# KiCad board Leftcopy.kicad_pcb (continued)
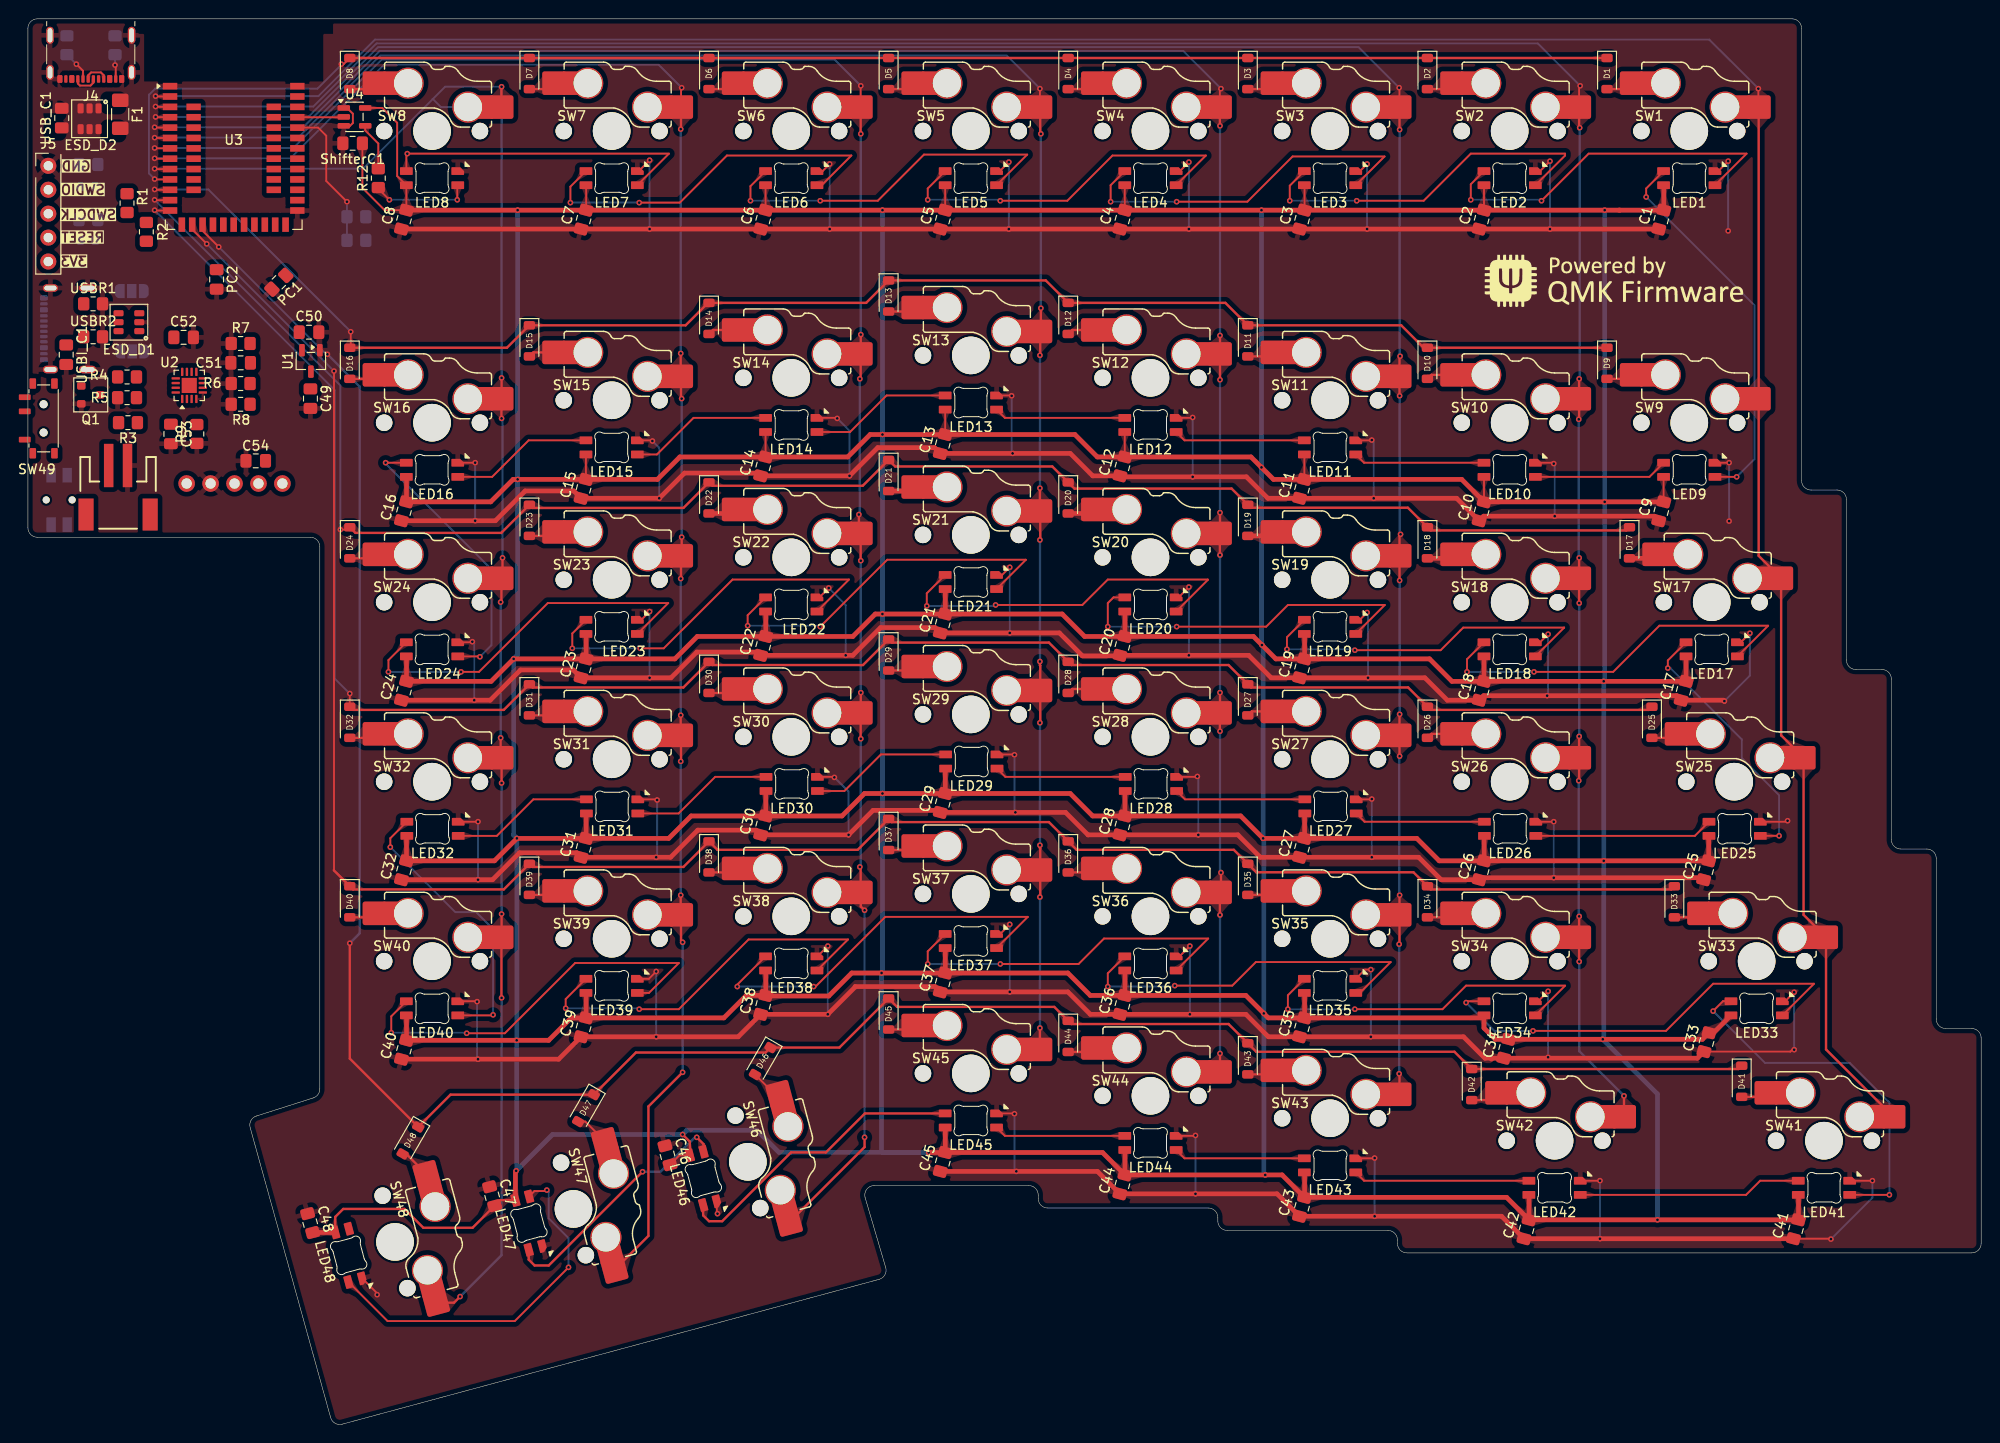
[diagram p0: board, top side]
## Routing (per net, layer and track width the routed paths; a pad name or vN(x,y) marks a point on that pad's centre or on a via; arc(x,y) is an arc through that point) (continued)
Net-(D11-A): length 2.8
  Top w0.25: D11.2 131.47,113.32 131.89,113.75 SW11.2
Net-(D12-A): length 2.8
  Top w0.25: D12.2 110.76,116.13 SW12.2
Net-(D13-A): length 2.8
  Top w0.25: SW13.2 93.5,118.08 D13.2
Net-(D14-A): length 2.8
  Top w0.25: D14.2 72.66,116.13 SW14.2
Net-(D15-A): length 2.8
  Top w0.25: D15.2 53.61,113.75 SW15.2
Net-(D16-A): length 4.6
  Top w0.25: D16.2 38.1,110.94 SW16.2
Net-(D17-A): length 2.8
  Top w0.5: D17.2 172.08,91.89 SW17.2
Net-(D18-A): length 2.8
  Top w0.5: D18.2 150.65,91.89 SW18.2
Net-(D19-A): length 2.8
  Top w0.5: D19.2 131.6,94.27 SW19.2
Net-(D20-A): length 2.8
  Top w0.5: SW20.2 112.55,96.65 D20.2
Net-(D21-A): length 4.6
  Top w0.5: SW21.2 95.25,99.03 D21.2
Net-(D22-A): length 2.8
  Top w0.5: D22.2 74.45,96.65 SW22.2
Net-(D23-A): length 2.8
  Top w0.25: D23.2 55.4,94.27 SW23.2
Net-(D24-A): length 2.8
  Top w0.25: D24.2 36.35,91.89 36.77,92.31
Net-(D25-A): length 2.8
  Top w0.25: SW25.2 174.46,72.84 D25.2
Net-(D26-A): length 2.8
  Top w0.25: D26.2 148.86,73.26 SW26.2
Net-(D27-A): length 2.8
  Top w0.25: D27.2 129.81,75.65 SW27.2
Net-(D28-A): length 2.8
  Top w0.25: SW28.2 110.76,78.03 D28.2
Net-(D29-A): length 2.8
  Top w0.25: SW29.2 93.5,79.98 D29.2
Net-(D30-A): length 2.8
  Top w0.25: D30.2 74.45,77.6 SW30.2
Net-(D31-A): length 2.8
  Top w0.25: D31.2 55.4,75.22 SW31.2
Net-(D32-A): length 2.8
  Top w0.25: 36.77,73.26 36.35,72.84 D32.2
Net-(D33-A): length 4.6
  Top w0.25: D33.2 178.59,53.79 SW33.2
Net-(D34-A): length 2.8
  Top w0.25: D34.2 150.65,53.79 SW34.2
Net-(D35-A): length 4.6
  Top w0.25: D35.2 133.35,56.17 SW35.2
Net-(D36-A): length 2.8
  Top w0.25: D36.2 112.55,58.55 SW36.2
Net-(D37-A): length 4.6
  Top w0.25: D37.2 95.25,60.93 SW37.2
Net-(D38-A): length 2.8
  Top w0.25: D38.2 74.45,58.55 SW38.2
Net-(D39-A): length 2.8
  Top w0.25: D39.2 55.4,56.17 SW39.2
Net-(D40-A): length 4.6
  Top w0.25: SW40.2 38.1,53.79 D40.2
Net-(D41-A): length 4.6
  Top w0.25: D41.2 185.74,34.74 SW41.2
Net-(D42-A): length 4.8
  Top w0.25: SW42.2 156.81,34.39 D42.2
Net-(D43-A): length 2.8
  Top w0.25: SW43.2 131.6,37.12 D43.2
Net-(D44-A): length 2.8
  Top w0.25: SW44.2 112.55,39.5 D44.2
Net-(D45-A): length 2.8
  Top w0.25: SW45.2 93.5,41.88 D45.2
Net-(D46-A): length 5
  Top w0.2: D46.2 80.15,34.08 SW46.2
Net-(D47-A): length 3.7
  Top w0.2: D47.2 59.12,32.11 SW47.2
Net-(D48-A): length 3.4
  Top w0.25: D48.2 40.12,28.69 SW48.2
Net-(ESD_D2-L1-Pad1): length 2.7
  Top w0.2: J4.B7 6.94,142.36 6.64,142.06 5.52,142.06 5.29,142.29 J4.A7
Net-(ESD_D2-L2-Pad3): length 2.7
  Top w0.2: J4.B6 6.39,143.16 6.7,143.46 7.74,143.46 8.04,143.16 J4.A6
Net-(F1-Pad1): length 0.8
  Top w0.2: F1.1 9.25,141.04
Net-(J4-CC1): length 2.6
  Top w0.2: J4.A5 9.31,144.17 v1(9.24,144.24)
  Bottom w0.2: R13.1 v1(9.24,144.24)
Net-(J4-CC2): length 3.3
  Top w0.2: v1(5.14,144.34) 5.84,143.64 J4.B5
  Bottom w0.2: v1(5.14,144.34) R14.1
Net-(LED1-DIN): length 39.7
  Top w0.2: v1(153.04,129.94) 153.04,131.59 LED2.2 ; LED1.3 182.29,134.84 165.54,134.84 v1(160.54,129.84)
  Bottom w0.2: v1(160.54,129.84) 160.44,129.94 v1(153.04,129.94)
Net-(LED1-DOUT): length 41.1
  Top w0.2: v1(181.24,100.54) 181.05,100.54 181.04,100.53 LED9.3 ; LED1.2 171.64,131.14 v1(171.64,130.24)
  Bottom w0.2: v1(181.24,100.54) 183.14,102.44 183.14,118.74 v1(171.64,130.24)
Net-(LED2-DIN): length 39.7
  Top w0.2: LED3.2 133.84,131.44 v1(133.84,129.84) ; LED2.3 163.04,134.64 163.04,134.84 153.04,134.84 148.04,129.84 v1(140.94,129.84)
  Bottom w0.2: v1(133.84,129.84) v1(140.94,129.84)
Net-(LED3-DIN): length 39.2
  Top w0.2: LED4.2 114.84,131.49 v1(114.84,129.74) ; v1(121.84,129.74) 129.34,129.74 134.14,134.54 143.89,134.54 LED3.3
  Bottom w0.2: v1(114.84,129.74) v1(121.84,129.74)
Net-(LED4-DIN): length 39.8
  Top w0.2: LED5.2 95.44,131.14 v1(95.44,129.94) ; v1(103.14,129.84) 110.24,129.84 115.04,134.64 124.94,134.64 LED4.3
  Bottom w0.2: v1(95.44,129.94) 103.04,129.94 v1(103.14,129.84)
Net-(LED5-DIN): length 39.8
  Top w0.2: v1(76.64,129.84) 76.64,131.39 LED6.2 ; v1(84.04,129.84) 90.14,129.84 95.04,134.74 105.99,134.74 LED5.3
  Bottom w0.2: v1(76.64,129.84) v1(84.04,129.84)
Net-(LED6-DIN): length 40.9
  Top w0.2: LED7.2 57.54,131.34 v1(57.54,129.64) ; v1(64.84,129.64) 69.14,129.64 74.14,134.64 87.34,134.64 84.19,131.49 LED6.3
  Bottom w0.2: v1(57.54,129.64) v1(64.84,129.64)
Net-(LED7-DIN): length 34.4
  Top w0.2: LED7.3 67.99,134.84 v1(40.24,134.84) 40.14,134.74 LED8.2
Net-(LED10-DIN): length 14.2
  Top w0.2: LED9.2 171.99,100.53 LED10.3
Net-(LED10-DOUT): length 14
  Top w0.2: LED11.3 141.72,102.03 LED10.2
Net-(LED11-DOUT): length 14
  Top w0.2: LED11.2 122.67,104.42 LED12.3
Net-(LED12-DOUT): length 14
  Top w0.2: LED12.2 103.62,106.8 LED13.3
Net-(LED13-DOUT): length 15.2
  Top w0.2: LED13.2 91.08,109.18 87.19,105.3 LED14.3
Net-(LED14-DOUT): length 15.2
  Top w0.2: LED14.2 70.59,106.8 66.71,102.92 LED15.3
Net-(LED15-DOUT): length 15.2
  Top w0.2: LED15.2 53.11,104.42 49.23,100.53 LED16.3
Net-(LED16-DOUT): length 30.3
  Top w0.2: v1(47.94,81.44) 47.89,81.48 LED24.3 ; LED16.2 38.23,102.03 38.23,102.04 v1(37.94,102.04)
  Bottom w0.2: v1(47.94,81.44) 49.17,82.67 49.17,90.71 37.94,101.94 v1(37.94,102.04)
Net-(LED17-DIN): length 42.5
  Top w0.2: LED17.3 184.57,84.74 173.04,84.74 168.14,79.84 v1(159.74,79.84) ; LED18.2 152.64,81.18 v1(152.64,79.84)
  Bottom w0.2: v1(152.64,79.84) v1(159.74,79.84)
Net-(LED17-DOUT): length 28.4
  Top w0.2: LED17.2 173.94,81.05 v1(173.94,80.24) ; v1(185.74,62.44) 183.76,62.44 LED25.3
  Bottom w0.2: v1(173.94,80.24) 174.22,80.24 181.78,72.68 181.78,70.69 185.74,66.74 v1(185.74,62.44)
Net-(LED18-DIN): length 39.1
  Top w0.2: 135.67,85.62 135.71,85.53 135.55,85.37 LED19.2 133.54,83.52 v1(133.54,82.24) ; LED18.3 162.94,84.53 162.94,84.54 152.24,84.54 149.84,82.14 v1(140.74,82.14)
  Bottom w0.2: v1(140.74,82.14) 140.64,82.24 v1(133.54,82.24)
Net-(LED19-DIN): length 39.2
  Top w0.2: v1(114.54,84.64) 114.54,87.14 115.14,87.75 LED20.2 ; v1(121.84,84.64) 131.34,84.64 133.64,86.94 143.91,86.94 LED19.3
  Bottom w0.2: v1(114.54,84.64) v1(121.84,84.64)
Net-(LED20-DIN): length 39.8
  Top w0.2: LED20.3 125.14,89.6 125.14,89.64 114.54,89.64 111.84,86.94 v1(102.64,86.94) ; v1(95.34,86.84) 95.34,88.18 LED21.2
  Bottom w0.2: v1(95.34,86.84) 102.54,86.84 v1(102.64,86.94)
Net-(LED21-DIN): length 40.7
  Top w0.2: LED21.3 105.84,91.73 105.84,91.74 91.14,91.74 v1(84.04,84.64) ; v1(76.34,84.74) 76.34,85.85 LED22.2
  Bottom w0.2: v1(76.34,84.74) 83.94,84.74 v1(84.04,84.64)
Net-(LED22-DIN): length 40.8
  Top w0.2: LED22.3 87.08,89.64 74.74,89.64 67.44,82.34 v1(64.94,82.34) ; LED23.2 57.74,83.92 v1(57.74,82.34)
  Bottom w0.2: v1(57.74,82.34) v1(64.94,82.34)
Net-(LED23-DIN): length 41.3
  Top w0.2: v1(38.24,79.84) 38.24,81.08 LED24.2 ; LED23.3 67.91,87.14 55.14,87.14 47.84,79.84 v1(45.94,79.84)
  Bottom w0.2: v1(38.24,79.84) v1(45.94,79.84)
Net-(LED25-DOUT): length 19
  Top w0.2: LED26.3 176.8,62.43 LED25.2
Net-(LED26-DOUT): length 14
  Top w0.2: LED27.3 141.77,63.93 LED26.2
Net-(LED27-DOUT): length 14
  Top w0.2: LED28.3 122.72,66.32 LED27.2
Net-(LED28-DOUT): length 14
  Top w0.2: LED28.2 103.67,68.7 LED29.3
Net-(LED29-DOUT): length 15.2
  Top w0.2: LED30.3 86.59,67.2 90.48,71.08 LED29.2
Net-(LED30-DOUT): length 15.2
  Top w0.2: LED30.2 72.89,68.7 69.01,64.82 LED31.3
Net-(LED31-DOUT): length 15.2
  Top w0.2: LED31.2 53.61,66.32 49.73,62.43 LED32.3
Net-(LED32-DOUT): length 30.8
  Top w0.2: v1(38.44,61.24) 38.44,62.18 LED32.2 ; LED40.3 49.28,43.38 v1(49.34,43.44)
  Bottom w0.2: v1(38.44,61.24) 45.34,54.34 47.54,54.34 49.34,52.54 v1(49.34,43.44)
Net-(LED33-DIN): length 46.9
  Top w0.2: LED33.3 189.44,46.74 178.74,46.74 173.74,41.74 v1(159.64,41.74) ; LED34.2 152.68,44.88 v1(152.54,44.74)
  Bottom w0.2: v1(159.64,41.74) 155.54,41.74 v1(152.54,44.74)
Net-(LED33-DOUT): length 39.1
  Top w0.2: v1(178.74,43.84) 179.78,44.88 LED33.2 ; LED41.3 197.43,24.33 v1(197.44,24.34)
  Bottom w0.2: v1(178.74,43.84) 184.24,38.34 193.24,38.34 197.44,34.14 v1(197.44,24.34)
Net-(LED34-DIN): length 38.9
  Top w0.2: LED34.3 163.04,46.54 152.54,46.54 150.04,44.04 v1(140.74,44.04) ; v1(133.64,44.04) 133.64,45.52 LED35.2
  Bottom w0.2: v1(133.64,44.04) v1(140.74,44.04)
Net-(LED35-DIN): length 40.1
  Top w0.2: v1(121.64,46.54) 127.74,46.54 130.24,49.04 144.54,49.04 141.26,45.77 LED35.3 ; LED36.2 114.54,47.85 v1(114.54,46.44)
  Bottom w0.2: v1(121.64,46.54) 121.54,46.44 v1(114.54,46.44)
Net-(LED36-DIN): length 39.6
  Top w0.2: v1(103.14,48.84) 111.44,48.84 114.14,51.54 125.18,51.54 LED36.3 ; LED37.2 95.44,50.18 v1(95.44,48.84)
  Bottom w0.2: v1(95.44,48.84) v1(103.14,48.84)
Net-(LED37-DIN): length 43
  Top w0.2: v1(75.24,46.44) 75.24,46.65 LED38.2 ; LED37.3 106.04,53.83 106.04,53.84 90.94,53.84 83.54,46.44 v1(83.34,46.44)
  Bottom w0.2: v1(75.24,46.44) v1(83.34,46.44)
Net-(LED38-DIN): length 41.7
  Top w0.2: v1(64.84,44.04) 69.04,44.04 76.44,51.44 86.98,51.44 LED38.3 ; LED39.2 57.04,45.12 v1(57.04,44.14)
  Bottom w0.2: v1(57.04,44.14) 64.74,44.14 v1(64.84,44.04)
Net-(LED39-DIN): length 43.3
  Top w0.2: v1(46.54,41.49) 50.58,41.49 58.04,48.94 69.04,48.94 65.86,45.77 LED39.3 ; v1(38.54,41.54) 38.54,43.28 LED40.2
  Bottom w0.2: v1(46.54,41.49) 46.48,41.54 v1(38.54,41.54)
Net-(LED41-DOUT): length 23.7
  Top w0.2: LED41.2 183.73,25.83 182.23,24.33 LED42.3
Net-(LED42-DOUT): length 18.7
  Top w0.2: LED43.3 141.72,25.83 LED42.2
Net-(LED43-DOUT): length 14
  Top w0.2: LED43.2 122.67,28.22 LED44.3
Net-(LED44-DOUT): length 14
  Top w0.2: LED44.2 103.62,30.6 LED45.3
Net-(LED45-DOUT): length 31.8
  Top w0.25: LED46.3 71.62,22.16 72.24,21.54 73.64,21.54 80.94,28.84 84.64,28.84 88.77,32.98 LED45.2
Net-(LED46-DOUT): length 26.6
  Top w0.25: v1(70.94,30.44) 71.66,29.72 LED46.2 ; LED47.3 53.12,17.46 53.74,16.84 55.24,16.84 v1(65.19,26.79)
  Bottom w0.25: v1(70.94,30.44) 70.74,30.44 67.09,26.79 v1(65.19,26.79)
Net-(LED47-DOUT): length 39.2
  Top w0.2: v1(55.04,24.84) 54.94,24.74 53.73,24.74 LED47.2 ; LED48.3 38.15,10.94 51.64,10.94 v1(57.34,16.64)
  Top w0.25: 52.84,24.49 LED47.2
  Bottom w0.2: v1(57.34,16.64) 57.34,19.74 55.24,21.84 55.24,24.64 v1(55.04,24.84)
Net-(U4-Y): length 5.1
  Top w0.2: R12.2 37.16,135.92 35.78,137.3 U4.4

## Copper pours and planes (outline as drawn; the poured copper is in the pictures)
GND on Top, Bottom: -19.05,153.91 209.55,151.53 209.55,-8.02 -19.05,-10.4

Small or netless copper shapes (teardrops, artwork), in the pictures only: 560 on Top, 5 on Bottom

## Text on the board
F.Silkscreen: 3V3 | GND | RESET | SWDIO | SWDCLK
